# Altium PCB LimeSDR-Micro_M.2_2280_1v0.PcbDoc (part 5 of 7)
Units mm, origin at the board's own origin, x right, y up, seen from the top; angles counter-clockwise.
Board outline 80 x 22 mm, 8 copper layers (Top, L2, L3, L4, L5, L6, L7, Bottom), stack 0.775 mm thick; 671 components, 387 nets, 2350 pads, 853 vias.
Unrouted connection lines stored in the file: 254.
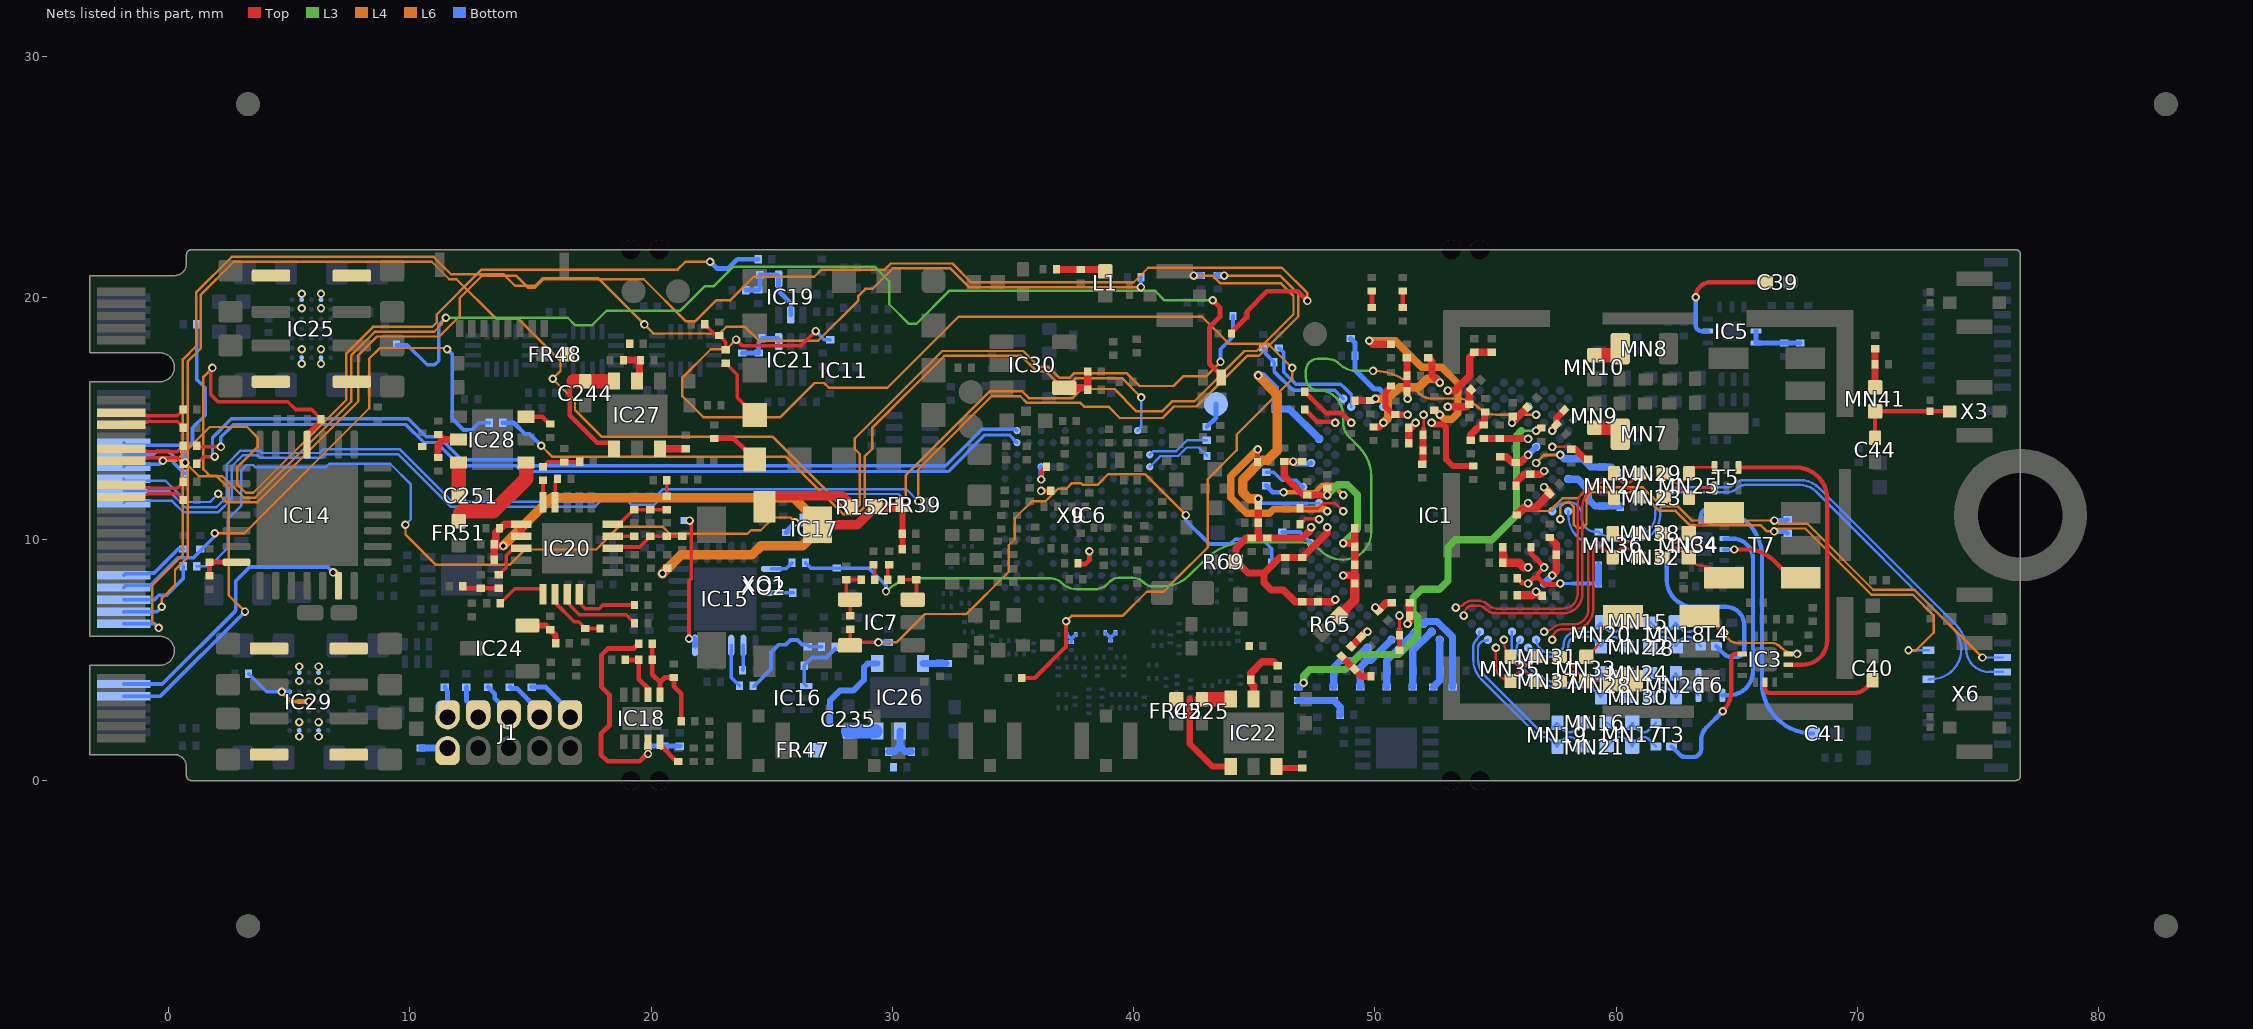
[diagram p11: the nets of this part, all layers, seen from the top]

## Via types
v1: diameter 0.35, hole 0.2, Top to Bottom, tented both sides, 702 vias
v2: diameter 0.35, hole 0.2, L5 to Bottom, tented both sides, 109 vias
v3: diameter 0.4, hole 0.2, Top to Bottom, tented both sides, 30 vias
v4: diameter 0.5, hole 0.2, Top to Bottom, tented both sides, 12 vias

## Nets (pads, with @x,y where several pads share a name; then routed paths per layer and width w, separated by ;. In a path a pad name is that pad's centre, name@x,y a point inside that pad or via, vN(x,y) a via of type N, cw(c..) or ccw(c..) an arc to the next point about the centre after c; other vN are vias at no path point) (continued)
LMS_TX2_BB_I_N: IC1.T6 R6.1 X6.3 | length 23.7
  L6 w0.1: v2(56.345,11.495) 56.67,11.17 57.236,11.17 57.766,11.7 58.408,11.7 58.858,12.15 61.099,12.15 61.874,11.375 62.541,11.375 63.141,10.775 v2(66.553,10.775) 66.607,10.775 66.737,10.646 67.912,10.646 70.65,7.908 72.367,7.908 v1(75.175,5.1)
  Bottom w0.1: v1(75.175,5.1) X6.3@76.008,5.1
  Bottom w0.2: v2(66.553,10.775) 67.065,10.775 R6.1@67.1,10.81
LMS_TX2_BB_I_P: IC1.V2 R6.2 X6.2 | length 23.9
  L6 w0.1: v2(57.677,10.829) 57.677,11.329 57.849,11.5 58.091,11.5 58.233,11.358 58.233,10.608 58.366,10.475 58.616,10.475 58.766,10.625 58.766,11.725 58.991,11.95 61.016,11.95 61.791,11.175 62.458,11.175 63.058,10.575 65.991,10.575 66.241,10.325 v2(66.541,10.325) 66.604,10.325 66.724,10.446 67.829,10.446 70.567,7.708 72.284,7.708 73.15,6.842 73.15,6.125 72.425,5.4 v1(72.11,5.4)
  Bottom w0.1: v1(72.11,5.4) X6.2@72.943,5.4
  Bottom w0.2: v2(66.541,10.325) 67.016,10.325 67.025,10.316 67.025,10.3 67.075,10.25 R6.2@67.1,10.25
LMS_TX2_BB_Q_N: IC1.U1 R9.2 X6.6 | length 23.6
  Bottom w0.1: IC1.U1@58.01,11.162 58.01,11 ccw(c59.266,11) R9.2@59.266,9.745 cw(c59.7,9.31) 59.7,9.925 60.741,9.925 ccw(c60.741,11) 61.816,11 61.816,11.15 cw(c62.616,11.15) 62.616,11.95 64.604,11.95 ccw(c64.604,12.537) 65.019,12.122 cw(c65.328,11.813) 65.328,12.25 67.611,12.25 cw(c67.611,11.311) 68.275,11.975 73.946,6.304 cw(c73.093,5.45) 74.3,5.45 cw(c73.05,5.45) 73.05,4.2 X6.6@72.943,4.2
LMS_TX2_BB_Q_P: IC1.U3 R9.1 X6.5 | length 24.6
  Bottom w0.1: IC1.U3@57.344,11.162 57.532,11.35 cw(c58.016,10.866) 58.016,11.55 cw(c58.016,11) 58.566,11 58.566,10.9 ccw(c59.161,10.9) 59.161,10.305 R9.1@59.266,10.305 ccw(c59.7,10.74) 59.7,10.125 60.741,10.125 ccw(c60.741,11) 61.616,11 61.616,11.15 cw(c62.616,11.15) 62.616,12.15 64.564,12.15 ccw(c64.564,12.577) 64.866,12.275 cw(c65.288,11.853) 65.288,12.45 67.614,12.45 cw(c67.614,11.319) 68.414,12.119 74.089,6.444 cw(c73.096,5.451) 74.5,5.451 ccw(c75.451,5.451) 75.451,4.5 X6.5@76.008,4.5
LMS_TXEN: IC1.U29 R11.1 | length 2
  Top w0.11: R11.1@46.896,11.3 R11.1@46.896,11.275 47.641,11.275 47.864,11.498 48.35,11.498 v1(48.686,11.162)
LMS_TxPLL_CLK: C184.2 IC1.E5 R154.2 | length 44.4
  L3 w0.1: v1(29.738,7.837) cw(c31.035,6.54) 31.035,8.375 36.578,8.375 cw(c36.578,7.778) 37,8.2 ccw(c37.664,8.864) 37.664,7.925 38.375,7.925 ccw(c38.375,8.71) 38.93,8.155 39.025,8.25 cw(c39.387,7.888) 39.387,8.4 39.975,8.4 cw(c39.975,7.796) 40.402,8.223 40.425,8.2 ccw(c40.787,8.562) 40.787,8.05 41.225,8.05 ccw(c41.225,9.559) 42.291,8.491 42.931,9.131 cw(c44.727,7.335) 44.727,9.875 46.94,9.875 cw(c46.94,8.765) 47.725,9.55 ccw(c48.691,10.516) 48.691,9.15 ccw(c48.691,10.309) 49.85,10.309 49.85,12.596 ccw(c48.111,12.596) 49.341,13.825 48.935,14.231 cw(c49.553,14.85) 48.678,14.85 48.678,15.147 ccw(c47.65,15.147) 47.65,16.175 cw(c47.65,16.685) 47.141,16.685 47.141,16.992 cw(c47.623,16.992) 47.623,17.475 48.007,17.475 cw(c48.007,16.707) 48.55,17.25 ccw(c49.214,17.914) 48.954,17.012 ccw(c49.214,17.914) 49.214,16.975 v1(49.921,16.975) v1@49.946,16.975
  L6 w0.1: v1@49.946,16.975 cw(c49.946,14.633) 51.602,16.289 51.891,16 ccw(c52.296,16.405) 52.296,15.832 53.404,15.832 cw(c53.404,14.613) 54.266,15.475 ccw(c55.031,16.24) 55.031,15.158 v1(56.678,15.158)
  Bottom w0.15: R154.2@26.405,9.025 26.63,8.8 29.025,8.8 29.738,8.087 v1(29.738,7.837)
M.2_CLK_IN: R156.1 X9.P28 | length 2.9
  Bottom w0.15: X9.P28@-1.85,8.5 -1.788,8.562 -0.838,8.562 -0.8,8.6 -0.581,8.6 0.414,9.595 R156.1@0.625,9.595
M.2_CLK_OUT: R161.2 X9.P24 | length 3.3
  Bottom w0.15: X9.P24@-1.85,7.5 -0.575,7.5 -0.4,7.675 -0.075,7.675 0.62,8.37 R161.2@0.62,8.875
M.2_GPIO_1: R137.2 X9.P42 | length 61.6
  L6 w0.1: v2(31.075,11.575) 31.075,12.884 34.116,15.925 35.3,15.925 35.575,15.65 37.8,15.65 37.952,15.498 38.952,15.498 39.425,15.025 41.2,15.025 41.675,15.5 42.6,15.5 44.7,17.6 45.186,17.6 46.825,19.239 46.825,20.167 46.067,20.925 v2(43.757,20.925)
  Bottom w0.1: X9.P42@-1.85,12 0.025,12 0.7,11.325 1.992,11.325 2.425,11.758 2.425,13.108 2.992,13.675 3.783,13.675 3.883,13.575 6.27,13.575 6.42,13.725 9.6,13.725 11.775,11.55 17.6,11.55 17.875,11.825 19.075,11.825 19.275,11.625 20.042,11.625 20.492,12.075 30.575,12.075 v2(31.075,11.575)
  Bottom w0.3: R137.2@43.462,20.925 v2(43.757,20.925)
M.2_GPIO_2: R138.2 X9.P44 | length 62.8
  Top w0.2: R138.2@44.055,18.525 44.055,18.585 44.7,19.23 44.7,19.45 45.525,20.275 46.8,20.275 v1(47.2,19.875)
  L6 w0.1: v2(2.064,11.886) 2.425,11.525 3.683,11.525 7.875,15.717 7.875,17.634 8.641,18.4 11.225,18.4 12.075,19.25 12.075,19.992 13.008,20.925 14.401,20.925 14.901,20.425 15.192,20.425 15.542,20.775 19.7,20.775 21.45,19.025 21.825,19.025 22.7,19.9 23.275,19.9 24.25,20.875 26.766,20.875 27.066,21.175 29.684,21.175 29.934,21.425 32.492,21.425 33.267,20.65 40.008,20.65 40.608,21.25 46.15,21.25 47.2,20.2 v1(47.2,19.875)
  Bottom w0.1: X9.P44@-1.85,12.5 -1.85,12.425 -0.117,12.425 0.767,11.541 1.72,11.541 v2(2.064,11.886)
M.2_LED1#: IC14.20 X9.P10 | length 12.2
  Top w0.3: v1(6.825,8.625) 6.925,8.625 7.05,8.5 IC14.20@7.05,8.075
  Bottom w0.15: X9.P10@-1.85,4 -0.25,4 2.8,7.05 2.8,8.275 3.375,8.85 6.6,8.85 v1(6.825,8.625)
M.2_LNA1_EN: R134.2 X9.P20 | length 60.1
  L4 w0.1: v1(-0.4,6.325) -0.675,6.6 -0.675,8.085 0.6,9.36 0.6,9.45 0.6,17.45 1.15,18 1.15,20.225 2.625,21.7 10.995,21.7 11.72,20.975 13.9,20.975 14.375,20.5 15.2,20.5 15.525,20.825 17.8,20.825 v1(19.725,18.9)
  L6 w0.1: v1(19.725,18.9) 20.1,18.525 22.842,18.525 23.117,18.8 23.9,18.8 24.475,18.225 26.925,18.225 28.595,19.895 28.595,20.085 28.885,20.375 29.167,20.375 30.017,21.225 32.409,21.225 33.184,20.45 v2(40.3,20.45)
  Bottom w0.15: X9.P20@-1.85,6.5 -0.575,6.5 v1(-0.4,6.325) ; v2(40.3,20.45) 40.302,20.452 40.302,20.847 R134.2@40.305,20.85
M.2_PA_EN: R136.2 X9.P22 | length 71.4
  L4 w0.1: v1(-0.275,7.2) -0.275,7.55 0.275,8.1 0.275,8.725 0.8,9.25 0.8,17.367 1.35,17.917 1.35,20.142 2.708,21.5 10.912,21.5 11.637,20.775 11.945,20.775 13.595,19.125 14.51,19.125 16.25,17.385 16.25,16.975 v1(15.925,16.65)
  L6 w0.1: v1(15.925,16.65) 16.85,15.725 16.85,15.35 17.95,14.25 25.028,14.25 28.053,11.225 28.451,11.225 28.65,11.424 28.65,13.53 28.445,13.735 28.445,14.178 32.067,17.8 35.425,17.8 36.075,17.15 36.458,17.15 36.908,16.7 37.35,16.7 37.525,16.875 39.725,16.875 40.25,16.35 41.65,16.35 42.05,16.75 43,16.75 v1(43.6,17.35)
  Bottom w0.15: X9.P22@-1.85,7 -0.475,7 v1(-0.275,7.2) ; v1(43.6,17.35) 43.6,17.875 44.12,18.395 R136.2@44.12,19.25
M.2_PPS_IN: R172.1 X9.P46 | length 36
  L6 w0.1: v2(-0.225,13.25) 0.325,13.25 0.375,13.3 0.375,13.31 1.715,14.65 3.267,14.65 3.7,14.217 3.7,13.817 2.85,12.967 2.85,12.283 3.208,11.925 3.517,11.925 7.375,15.783 7.375,17.7 8.475,18.8 10.842,18.8 10.935,18.8 11.125,18.99 11.125,19.083 11.125,19.325 12.975,21.175 21.1,21.175 21.425,21.5 v2(22.45,21.5)
  Bottom w0.15: X9.P46@-1.85,13 -1.75,13.1 -0.737,13.1 -0.375,13.1 v2(-0.225,13.25)
  Bottom w0.2: v2(22.45,21.5) 22.725,21.225 23.2,21.225 23.575,21.6 R172.1@24.445,21.6
M.2_PPS_OUT: R188.1 X9.P48 | length 3.1
  Bottom w0.15: X9.P48@-1.85,13.5 -0.625,13.5 -0.475,13.65 0.005,13.65 0.2,13.455 0.2,13.18 0.65,12.73 R188.1@0.675,12.73
M.2_TRX0: R125.2 X9.P40 | length 62.3
  L6 w0.1: v2(30.55,11.575) 30.55,12.642 34.033,16.125 35.383,16.125 35.658,15.85 37.475,15.85 37.85,16.225 39.2,16.225 40.125,15.3 41.175,15.3 41.587,15.712 42.512,15.712 44.6,17.8 45.103,17.8 46.625,19.322 46.625,20.085 46.11,20.6 43.6,20.6 43.275,20.925 v2(42.492,20.925)
  Bottom w0.1: X9.P40@-1.85,11.5 -1.761,11.589 0.153,11.589 0.617,11.125 2.075,11.125 2.625,11.675 2.625,13.025 3.075,13.475 3.7,13.475 3.8,13.375 6.353,13.375 6.503,13.525 9.517,13.525 11.692,11.35 17.683,11.35 17.958,11.625 18.992,11.625 19.192,11.425 20.125,11.425 20.575,11.875 30.25,11.875 v2(30.55,11.575)
  Bottom w0.3: v2(42.492,20.925) R125.2@42.787,20.925
MCP_RESET: C178.1 IC14.14 R135.2 | length 1.7
  Top w0.2: R135.2@1.705,8.485 C178.1@1.705,9.05 IC14.14@2.825,9.05
NetC7_2: C7.2 IC1.C29 R20.1 | length 4.5
  Bottom w0.15: R20.1@45.366,17.92 45.391,17.92 45.466,17.845 45.466,17.692 45.821,17.337 C7.2@45.821,17.325 45.821,16.954 46.6,16.175 48.335,16.175 IC1.C29@48.686,15.824
NetC39_2: C39.2 IC5.2 | length 5.1
  Top w0.18: v1(63.291,20.025) cw(c63.916,20.025) 63.916,20.65 C39.2@66.2,20.65
  Bottom w0.18: v1(63.291,20.025) 63.291,18.875 ccw(c63.541,18.875) 63.541,18.625 IC5.2@63.791,18.625
NetC40_2: C40.2 IC3.13 | length 5
  Top w0.18: IC3.13@66.166,4.072 66.166,3.837 ccw(c66.377,3.837) 66.377,3.625 69.832,3.625 ccw(c69.832,4.393) 70.375,3.85 70.59,4.065 ccw(c70.504,4.15) C40.2@70.625,4.15
NetC41_2: C41.2 IC4.13 | length 12.6
  Bottom w0.18: IC4.13@63.516,10.752 63.516,10.975 cw(c63.791,10.975) 63.791,11.25 64.05,11.25 cw(c64.05,9.26) 66.041,9.26 66.041,4.059 ccw(c68.15,4.059) C41.2@68.15,1.95
NetC42_1: C42.1 FR1.1 MN41.2 | length 1.6
  Top w0.3: MN41.2@70.725,16.3 C42.1@70.725,17.25 FR1.1@70.725,17.895
NetC45_1: C45.1 FR2.2 IC5.8 IC5.9 | length 2.3
  Bottom w0.2: IC5.8@65.791,18.625 IC5.9@65.791,18.125 FR2.2@67.616,18.125
NetC52_1: C52.1 C53.1 C59.1 C60.1 C61.1 C62.1 C63.1 C64.1 IC1.AA29 IC1.AE29 IC1.L33 IC1.R31 R65.2 | length 13.1
  Top w0.3: C60.1@46.98,13.219 C59.1@46.246,13.219 46.246,12.618 47.036,11.828 v1(48.02,11.828) C52.1@48.02,12.12 ; v1(48.686,9.83) 49.163,9.83 C63.1@49.163,10.46 ; v1@48.715,8.488 48.709,8.488 48.696,8.502 48.696,8.508 49.163,8.508 C61.1@49.163,8.935 C64.1@49.163,9.69
  Top w0.4: R65.2@48.516,6.825 49.163,7.472 C62.1@49.163,8.165 49.163,8.508
  L3 w0.3: v1(48.02,11.828) 48.445,12.253 48.862,12.253 49.275,11.84 49.275,10.419 v1(48.686,9.83)
  Bottom w0.2: v1(46.613,13.215) 46.71,13.118 47.206,13.118 47.219,13.131 47.326,13.131 IC1.L33@47.354,13.16
  other v1: 48.686,8.498
NetC54_1: C54.1 C55.1 C56.1 FR7.1 IC1.A17 IC1.C25 IC1.F24 | length 6.8
  Top w0.3: FR7.1@49.168,15.745 C56.1@49.813,15.745 49.926,15.745 50.005,15.824 v1(50.018,15.824) ; C54.1@49.94,14.651 50.19,14.651 50.351,14.812 v1(50.351,14.825) ; C55.1@52.216,17.525 52.366,17.375 52.366,16.807 v1(52.682,16.49)
  L4 w0.35: v1(50.018,15.824) 50.541,15.824 ; v1(50.351,14.825) 50.541,15.015 50.541,15.824 ; v1(52.682,16.49) 52.522,16.65 52.166,16.65 51.816,16.3 51.017,16.3 50.541,15.824
NetC57_2: C57.2 FR6.1 IC1.M4 | length 1.5
  Top w0.3: FR6.1@55.843,12.215 55.843,12.349 56.189,12.695 C57.2@56.438,12.695 56.866,12.695 56.998,12.827 v1(57.011,12.827)
NetC58_1: C58.1 FR5.1 IC1.AL21 | length 0.9
  Top w0.3: v1(51.35,6.5) 51.35,6.514 51.442,6.606 C58.1@51.442,6.825 51.442,7.37 FR5.1@51.441,7.37
NetC65_1: C65.1 IC1.G5 R66.1 | length 18.6
  Top w0.3: v1(56.678,14.492) 56.692,14.492 56.805,14.605 C65.1@56.891,14.605
  L3 w0.11: 56.074,14.492 v1@56.597,14.492
  L3 w0.3: v1(47.045,4.055) 47.045,4.345 47.3,4.6 48.775,4.6 49.4,5.225 51,5.225 51.775,6 51.775,6.775 51.575,6.975 51.575,7.575 51.925,7.925 52.675,7.925 53.025,8.275 53.025,9.671 53.329,9.975 54.85,9.975 55.866,10.991 55.866,14.3 56.066,14.5
  Bottom w0.3: R66.1@46.816,3.881 46.871,3.881 v1(47.045,4.055)
NetC66_1: C66.1 FR10.1 IC1.P4 | length 2.1
  Top w0.35: FR10.1@55.9,11.025 56.175,11.3 56.648,11.3 C66.1@57.24,11.892 57.24,11.932 v1(57.011,12.161)
NetC67_1: C67.1 FR21.1 IC1.D6 IC1.F8 | length 1.8
  Top w0.3: v1(55.679,14.825) 55.679,14.831 FR21.1@56.315,15.467
  Bottom w0.3: v1(55.679,14.825) IC1.D6@56.345,15.491
NetC68_1: C68.1 FR20.1 IC1.B16 | length 2.9
  Top w0.3: v1(53.015,16.157) 53.311,16.157 53.925,16.771 53.925,17.554 C68.1@54.116,17.745 FR20.1@54.841,17.745
NetC69_1: C69.1 C70.1 FR19.1 IC1.E19 | length 2
  Top w0.11: 52.016,14.6 v1(52.016,15.158)
  Top w0.2: C69.1@52.016,14.305 52.016,14.33 52.016,14.6
  Top w0.3: FR19.1@51.991,13.205 51.991,13.778 C69.1@51.991,14.305
NetC71_2: C71.2 FR18.1 IC1.F20 | length 1
  Top w0.3: FR18.1@51.396,13.975 C71.2@51.396,14.625 51.483,14.625 v1(51.683,14.825)
NetC72_1: C72.1 FR17.1 IC1.AJ25 | length 0.7
  Top w0.3: C72.1@50.14,7.038 50.472,7.37 FR17.1@50.691,7.37
  other v1: 50.018,7.166
NetC73_1: C73.1 IC1.AP26 R67.1 | length 2.5
  Bottom w0.3: R67.1@48.291,3.88 C73.1@48.291,4.55 48.291,4.689 48.577,4.975 49.112,4.975 49.628,5.491 49.676,5.491 IC1.AP26@49.685,5.501
NetC74_1: C74.1 FR15.1 IC1.AN23 | length 2.6
  Bottom w0.3: FR15.1@49.386,3.88 49.391,3.88 C74.1@49.391,4.55 49.391,4.689 49.677,4.975 49.825,4.975 IC1.AN23@50.684,5.834
NetC75_1: C75.1 FR14.1 IC1.AM20 | length 2.8
  Bottom w0.3: FR14.1@50.491,3.88 C75.1@50.491,4.55 50.491,4.975 IC1.AM20@51.683,6.167
NetC76_1: C76.1 FR13.1 IC1.AL19 | length 3.6
  Bottom w0.3: IC1.AL19@52.016,6.5 52.03,6.5 52.122,6.592 52.574,6.592 53.211,5.955 C76.1@53.211,4.55 FR13.1@53.211,3.88
NetC77_1: C77.1 FR12.1 IC1.AG5 | length 1.1
  Top w0.35: FR12.1@55.946,7.675 56.521,7.675 v1(56.678,7.832) C77.1@56.86,7.65
NetC78_2: C78.2 FR11.1 IC1.AD6 | length 2.1
  Top w0.3: FR11.1@55.296,9.025 C78.2@55.296,9.675
  Top w0.35: 55.321,9.35 55.321,9.025 55.972,9.025 56.166,8.831 v1(56.345,8.831)
NetC79_1: C79.1 FR9.1 IC1.J3 | length 1.6
  Top w0.11: v1(57.344,13.826) 58.045,13.826 C79.1@58.046,13.825
  Top w0.3: C79.1@58.141,13.73 58.286,13.73 58.701,13.315 FR9.1@58.843,13.315
NetC80_2: C80.2 FR8.1 IC1.J5 IC1.K6 | length 1.9
  Top w0.3: FR8.1@55.188,13.42 55.446,13.42 55.681,13.185 C80.2@55.838,13.185 56.037,13.185 v1(56.345,13.493)
  Bottom w0.25: v1(56.345,13.493) IC1.J5@56.678,13.826
NetC81_2: C81.2 FR16.1 R66.2 R67.2 | length 2.2
  Bottom w0.3: R66.2@46.816,3.321 R66.2@46.841,3.321 ; R66.2@46.841,3.32 C81.2@47.591,3.32 R67.2@48.291,3.32 48.316,3.32 48.316,3.295 48.561,3.05 FR16.1@48.561,2.725
NetC82_1: C82.1 FR22.1 IC1.K2 IC1.L5 | length 3.8
  L4 w0.11: v1(56.678,13.16) 57.011,13.493 v1(57.677,13.493)
  Bottom w0.3: v1(57.677,13.493) 57.837,13.333 58.608,13.333 58.946,12.995 C82.1@59.416,12.995 59.791,12.995 60.016,12.77 60.041,12.77 FR22.1@60.041,12.745
NetC83_1: C83.1 C84.1 FR25.1 IC1.C21 | length 1.7
  Top w0.3: v1@51.325,15.824 C83.1@51.325,16.125 C84.1@51.325,16.775 FR25.1@51.325,17.525
  other v1: 51.35,15.824
NetC85_1: C85.1 C86.1 C87.1 FR24.1 IC1.AD4 IC1.AF2 IC1.AF6 | length 6
  Top w0.2: C85.1@55.893,8.39 55.893,8.365 55.943,8.315 55.968,8.315 56.096,8.187 56.323,8.187 v1(56.345,8.165) 56.58,8.4 56.766,8.4 ; C86.1@56.466,9.675 56.466,9.395 57.011,8.849 v1(57.011,8.831) 56.766,8.585 56.766,8.4 ; v1(57.677,8.165) 57.649,8.136 57.543,8.136 57.529,8.123 57.043,8.123 56.766,8.4
  Bottom w0.11: v1(57.677,8.165) 58.182,8.165
  Bottom w0.15: 58.182,8.165 C87.1@59.261,8.165
  Bottom w0.3: C87.1@59.261,8.165 FR24.1@59.261,8.9
NetC88_1: C88.1 FR23.1 IC1.AN17 | length 2.1
  Bottom w0.3: FR23.1@52.416,3.88 52.682,4.146 C88.1@52.682,4.55 IC1.AN17@52.682,5.834
NetC89_1: C89.1 IC1.D24 R68.1 | length 3.5
  Bottom w0.11: IC1.D24@50.351,15.491 50.351,16.065
  Bottom w0.22: R68.1@48.991,18.32 49.171,18.14 C89.1@49.171,17.6 49.171,17.02 49.966,16.225 50.191,16.225 50.351,16.065
NetC90_1: C90.1 C91.1 C92.1 C93.1 C94.1 C95.1 C96.1 C97.1 C98.1 C99.1 IC1.AH30 IC1.H32 IC1.T32 IC1.W31 IC1.W33 R69.2 | length 27.7
  Top w0.3: R69.2@44.241,9.075 R69.2@44.241,9.1 ; v1@45.161,11.675 C94.1@45.161,11.408 C95.1@45.161,10.691 45.161,10.05 ; 45.4,8.6 45.4,8.2 45.7,7.9 46.2,7.9 46.693,7.407 C98.1@46.991,7.407 C99.1@47.641,7.407 48.248,7.407 48.34,7.499 v1(48.353,7.499) ; 45.716,8.899 45.417,8.6 44.741,8.6 R69.2@44.241,9.1 ; 45.716,8.9 46.056,9.241 C91.1@46.291,9.241 C90.1@46.991,9.241 48.02,10.27 v1(48.02,10.496) ; v1(47.354,10.496) 47.345,10.486 47.345,10.395 46.999,10.05 C96.1@45.546,10.05 45.161,10.05 ; R69.2@44.241,9.1 44.241,9.625 44.666,10.05 C97.1@44.891,10.05 45.161,10.05
  L4 w0.4: v1(45.166,11.675) 44.791,11.675 44.516,11.95 44.516,12.464 45.327,13.275 45.55,13.275 45.95,13.675 45.95,16.004 v1(45.166,16.789)
  Bottom w0.11: 47.183,11.495 IC1.T32@47.687,11.495
  Bottom w0.15: v1(45.166,11.675) 45.346,11.495 47.183,11.495
  Bottom w0.3: v1(45.166,16.789) 45.346,16.789 45.866,16.269 C93.1@45.866,16.15 C92.1@45.866,15.4 46.446,15.4 IC1.H32@47.687,14.159
NetC100_1: C100.1 FR26.1 IC1.G3 | length 1.1
  Top w0.3: v1(57.344,14.492) 57.354,14.502 57.354,14.584 57.535,14.766 57.522,14.779 57.522,15.027 FR26.1@57.843,15.348
NetC101_1: C101.1 FR33.1 IC1.E21 | length 2
  Top w0.25: FR33.1@50.666,16.345 50.641,16.345 50.616,16.32 50.616,16.295 50.441,16.12 50.441,15.487 50.77,15.158 v1(51.35,15.158)
NetC102_1: C102.1 FR32.1 IC1.D16 | length 1.6
  Top w0.3: v1(53.015,15.491) 53.811,15.491 C102.1@53.911,15.591 53.911,16.125 FR32.1@53.986,16.2
NetC103_1: C103.1 FR31.1 IC1.E17 | length 7.8
  Top w0.3: v1(49.766,18.225) 49.911,18.08 FR31.1@50.666,18.08 ; C103.1@52.466,15.345 52.491,15.345 52.678,15.158 v1(52.682,15.158)
  L4 w0.3: v1(49.766,18.225) 50.841,18.225 51.941,17.125 52.766,17.125 53.441,16.45 53.441,15.225 53.191,14.975 52.879,14.975 52.696,15.158 v1(52.682,15.158)
NetC104_1: C104.1 FR30.1 IC1.AK22 | length 1.4
  Top w0.11: 51.017,6.274 v1(51.017,6.833)
  Top w0.2: FR30.1@51.017,5.4 C104.1@51.017,6.025 51.017,6.274
NetC105_1: C105.1 FR29.1 IC1.AM18 | length 2.6
  Bottom w0.3: FR29.1@51.571,3.88 C105.1@51.571,4.55 51.571,5.389 IC1.AM18@52.349,6.167
NetC106_1: C106.1 FR28.2 IC1.AE3 IC1.AF4 | length 2.2
  Top w0.3: FR28.2@57.236,10.07 57.511,9.795 C106.1@57.511,9.35 57.511,8.678 57.344,8.512 v1(57.344,8.498)
  Bottom w0.3: IC1.AF4@57.011,8.165 v1(57.344,8.498)
NetC107_1: C107.1 FR27.2 IC1.N1 | length 2.9
  Bottom w0.3: IC1.N1@58.01,12.494 58.021,12.483 58.413,12.483 58.841,12.055 58.841,11.65 59.116,11.375 C107.1@59.416,11.375 ; C107.1@59.416,11.38 FR27.2@60.161,11.38
NetC108_1: C108.1 FR35.1 IC1.AM26 | length 0.9
  Top w0.3: FR35.1@49.014,5.548 49.623,6.157 49.676,6.157 v1(49.685,6.167)
NetC109_1: C109.1 FR34.2 IC1.H6 | length 1.9
  Top w0.3: FR34.2@54.491,14.17 55.141,14.17 56.321,14.17 56.332,14.159 v1(56.345,14.159)
NetC110_1: C110.1 FR35.2 R71.2 | length 1.6
  Top w0.3: FR35.2@48.618,5.152 C110.1@49.155,4.615 49.445,4.325 R71.2@49.836,4.325
NetC111_1: C111.1 FR34.1 R70.1 | length 1.4
  Top w0.3: C111.1@53.966,14.105 53.966,14.325 54.541,14.9 54.541,15.27 R70.1@54.566,15.27
NetC126_1: C126.1 R82.1 | length 0.6
  Top w0.15: R82.1@29.22,8.945 29.275,8.89 C126.1@29.275,8.325
NetC126_2: C126.2 IC7.4 R77.2 R78.2 | length 2
  Top w0.15: IC7.4@28.095,7.66 R77.2@28.095,8.325 C126.2@28.715,8.325 ; R78.2@28.25,6.83 IC7.4@28.25,7.495
  Top w0.2: R78.2@28.25,6.83 R78.2@28.255,6.825
NetC132_1: C132.1 R86.1 | length 0.6
  Top w0.15: C132.1@29.815,8.325 29.815,8.89 R86.1@29.87,8.945
NetC132_2: C132.2 IC7.3 R88.2 | length 1.5
  Top w0.15: C132.2@30.375,8.325 30.995,8.325 R88.2@31,8.32 31,7.655 IC7.3@30.845,7.5
NetC167_1: C167.1 L1.2 R113.1 | length 2.1
  Top w0.3: R113.1@36.8,21.18 C167.1@37.8,21.18 38.745,21.18 L1.2@38.825,21.1
NetC170_1: C170.1 FR37.1 R114.2 | length 1.5
  Top w0.15: R114.2@22.23,18.9 22.23,18.875 22.305,18.8 22.33,18.8 22.61,18.52 22.75,18.52 C170.1@22.825,18.445 22.85,18.445 22.925,18.37 22.925,18.345 23.1,18.17 FR37.1@23.1,17.855
NetC180_1: C180.1 C181.1 R153.1 | length 4.1
  Bottom w0.15: C181.1@24.254,3.901 24.975,4.623 24.975,5.31 25.285,5.62 25.575,5.62 25.78,5.825 26.07,5.825 26.275,5.62 R153.1@26.475,5.62 ; R153.1@26.5,5.62 26.57,5.55 C180.1@27.065,5.55
NetC180_2: C180.2 IC16.4 R150.2 | length 2.4
  Bottom w0.15: IC16.4@26.438,3.925 26.355,4.008 R150.2@26.355,4.75 26.355,4.775 26.68,5.1 27.275,5.1 C180.2@27.625,5.45
NetC181_2: C181.2 IC15.21 | length 1.8
  Bottom w0.15: IC15.21@23.325,5.6 23.325,4.27 C181.2@23.67,3.925
NetC182_2: C182.2 IC15.20 | length 1
  Bottom w0.15: C182.2@23.795,4.575 23.825,4.605 IC15.20@23.825,5.6
NetC186_1: C186.1 C187.1 FR39.1 R152.2 XO1.5 XO2.4 | length 5.7
  Top w0.25: C186.1@30.415,9.58 C187.1@30.415,10.225 30.415,11.375 FR39.1@30.425,11.375
  Top w0.4: XO1.5@26.9,10.6 28.55,10.6 R152.2@29.3,11.35 ; R152.2@29.3,11.325 FR39.1@30.365,11.325 ; FR39.1@30.365,11.425 FR39.1@30.415,11.375
NetC200_1: C200.1 IC18.7 R167.1 R168.1 R169.1 | length 10.5
  Top w0.2: R168.1@19.495,5.675 19.495,5.65 19.445,5.6 19.42,5.6 19.295,5.475 18.22,5.475 17.95,5.205 17.95,3.875 18.275,3.55 18.275,2.28 17.925,1.93 17.925,1.075 18.2,0.8 19.534,0.8 19.834,1.1 v1(19.875,1.1) IC18.7@19.875,1.6
  Bottom w0.2: v1(19.875,1.1) R169.1@19.875,1.425 R167.1@21.2,1.425
NetC203_1: C203.1 FR43.2 IC18.1 R165.1 R168.2 | length 4.8
  Top w0.2: R165.1@20.055,5 20.055,4.395 20.375,4.075 ; R165.1@20.055,5.075 R168.2@20.055,5.675 ; IC18.1@20.375,3.55 20.375,4.075 ; FR43.2@21.25,2.455 21.25,3.6 20.95,3.9 C203.1@20.95,4.27 20.57,4.27 20.375,4.075
NetC204_2: C204.2 C205.2 C206.2 FR44.2 IC20.6 IC20.7 | length 25.1
  Top w0.3: C206.2@13.505,9.15 C204.2@13.505,9.775 ; v1(13.875,9.725) 13.865,9.735 13.57,9.735 13.53,9.775 C204.2@13.505,9.775 ; IC20.7@14.625,10.125 IC20.6@14.625,10.625 13.925,10.625 13.565,10.265 13.565,9.973 13.505,9.913 C204.2@13.505,9.8 C204.2@13.505,9.775
  Top w0.35: v1(20.475,8.575) FR44.2@20.645,8.745
  L6 w0.4: v1(13.875,9.725) 15.875,11.725 25.905,11.725 26.65,10.98 26.65,10.1 26.275,9.725 24.55,9.725 24.175,9.35 21.25,9.35 v1(20.475,8.575)
NetC208_1: C208.1 C209.2 R171.1 | length 1.6
  Top w0.15: C208.1@15.525,13.005 15.55,13.005 15.625,13.08 15.625,13.105 15.72,13.2 R171.1@16.4,13.2 17.04,13.2 C209.2@17.045,13.205
NetC208_2: C208.2 IC20.5 | length 1
  Top w0.15: IC20.5@15.475,11.475 IC20.5@15.525,11.525 C208.2@15.525,12.445
NetC212_1: C212.1 C215.2 IC20.18 R174.1 | length 3.1
  Top w0.15: IC20.18@18.425,9.625 18.48,9.68 19.535,9.68 19.875,10.02 19.875,10.045 19.95,10.12 C212.1@19.975,10.12 C215.2@20.65,10.12 R174.1@21.3,10.12